# Altium PCB Kasli-DIOT.PCBDOC (part 13 of 21)
Units mm, origin at the board's own origin, x right, y up, seen from the top; angles counter-clockwise.
Board outline 222.34 x 100 mm, 10 copper layers (TopLayer, Layer 2, Layer 3, Layer 4, Layer 5, Layer 6, Layer 7, layer 8, Layer 9, BottomLayer), stack 1.564 mm thick; 974 components, 908 nets, 4662 pads, 2649 vias.
Unrouted connection lines stored in the file: 17.
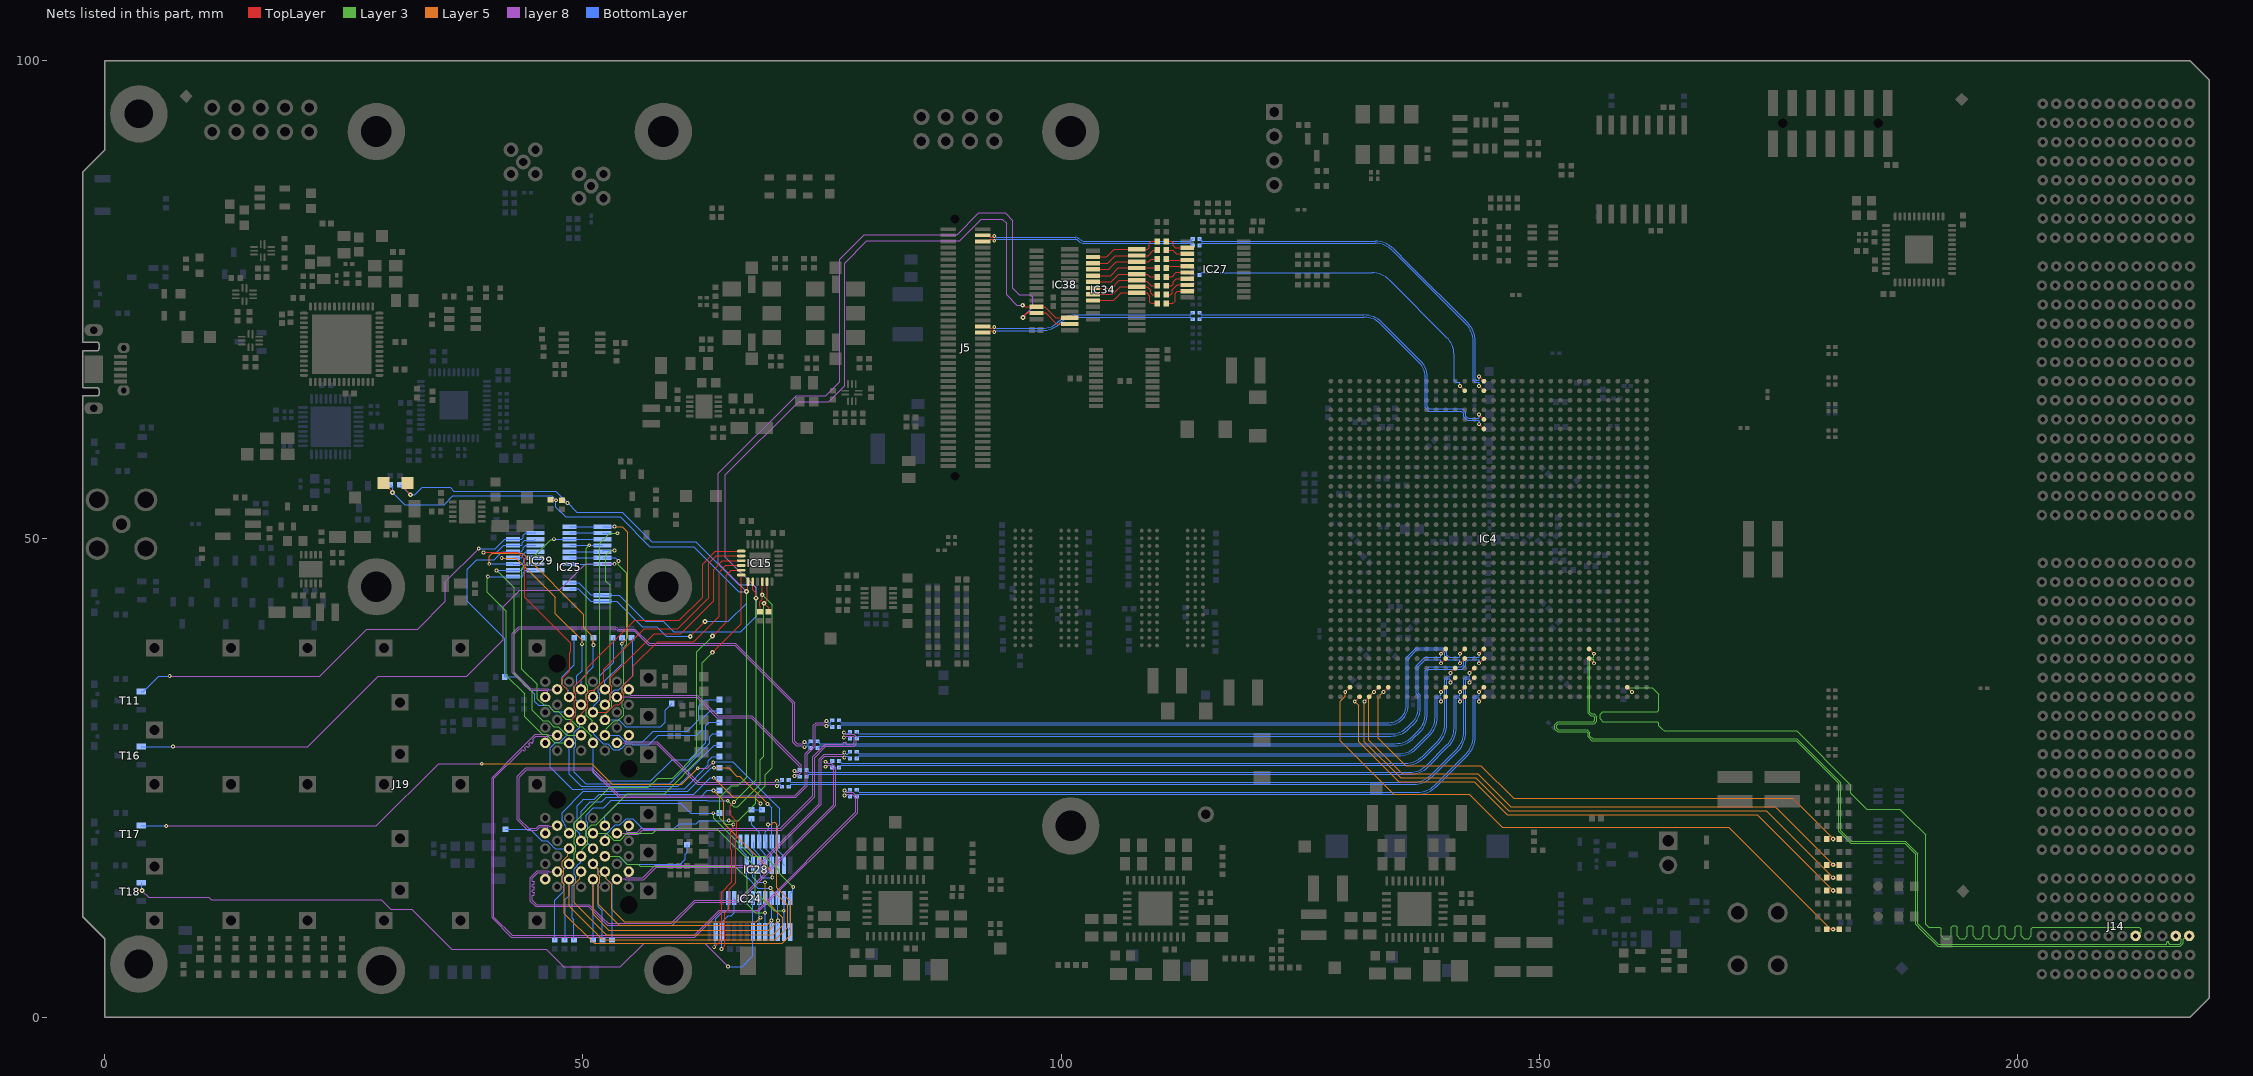
[diagram p21: the nets of this part, all layers, seen from the top]

## Via types
v1: diameter 0.4, hole 0.2, TopLayer to BottomLayer, tented both sides, 1661 vias
v2: diameter 0.5, hole 0.2, TopLayer to BottomLayer, tented both sides, 516 vias
v3: diameter 0.6, hole 0.3, TopLayer to BottomLayer, tented both sides, 175 vias
v4: diameter 0.6, hole 0.3, TopLayer to BottomLayer, 113 vias
v5: diameter 0.5, hole 0.2, TopLayer to BottomLayer, 110 vias
v6: diameter 0.4, hole 0.2, TopLayer to BottomLayer, 67 vias
v7: diameter 0.8, hole 0.5, TopLayer to BottomLayer, tented both sides, 7 vias

## Nets (pads, with @x,y where several pads share a name; then routed paths per layer and width w, separated by ;. In a path a pad name is that pad's centre, name@x,y a point inside that pad or via, vN(x,y) a via of type N, cw(c..) or ccw(c..) an arc to the next point about the centre after c; other vN are vias at no path point) (continued)
S2C_TX_P: C405.1 IC4.B15 | length 35.1
  TopLayer w0.095: v1(141.7,66) IC4.B15@142.2,65.5
  BottomLayer w0.095: C405.1@114.459,77.605 ccw(c114.459,77.665) 114.502,77.623 114.625,77.746 ccw(c114.596,77.774) 114.636,77.774 114.664,77.802 cw(c114.731,77.735) 114.731,77.83 132.504,77.83 cw(c132.504,75.29) 134.3,77.086 140.334,71.052 cw(c138.538,69.256) 141.078,69.256 141.078,66.608 141.297,66.389 141.644,66.389 141.7,66.333 v1(141.7,66)
S3_RX_N: C417.1 J5.33 | length 22.6
  TopLayer w0.095: J5.33@91.8,72.222 92.4,72.222 92.607,72.016 92.792,72.016 92.931,72.155 v6(93,72.155)
  BottomLayer w0.095: v6(93,72.155) 93.069,72.155 93.208,72.016 97.975,72.016 ccw(c97.975,74.556) 99.771,72.76 99.773,72.762 cw(c101.363,71.171) 99.774,72.763 cw(c101.363,71.171) 101.363,73.42 113.464,73.42 ccw(c113.464,73.57) 113.57,73.464 ccw(c113.541,73.493) 113.581,73.493 113.716,73.628 cw(c113.759,73.585) C417.1@113.759,73.645
S3_RX_P: C415.1 J5.35 | length 22.6
  TopLayer w0.095: J5.35@91.8,71.587 92.4,71.587 92.607,71.794 92.792,71.794 92.931,71.655 v6(93,71.655)
  BottomLayer w0.095: v6(93,71.655) 93.069,71.655 93.208,71.794 97.976,71.794 ccw(c97.976,74.553) 99.927,72.602 cw(c101.366,71.163) 99.928,72.603 cw(c101.366,71.163) 101.366,73.198 113.464,73.198 cw(c113.464,73.049) 113.57,73.155 cw(c113.541,73.126) 113.581,73.126 113.716,72.991 ccw(c113.759,73.034) C415.1@113.759,72.973
S3_TX_N: C418.2 J5.3 | length 22.4
  TopLayer w0.095: J5.3@91.8,81.747 92.4,81.747 92.607,81.541 92.792,81.541 92.931,81.68 v6(93,81.68)
  BottomLayer w0.095: v6(93,81.68) 93.069,81.68 93.208,81.541 101.454,81.541 cw(c101.454,80.85) 101.942,81.339 101.944,81.337 ccw(c102.42,81.813) 102.42,81.14 113.486,81.14 ccw(c113.486,81.235) 113.554,81.168 113.581,81.195 cw(c113.622,81.195) 113.593,81.224 113.716,81.347 cw(c113.759,81.304) C418.2@113.759,81.365
S3_TX_P: C416.2 J5.5 | length 22.4
  TopLayer w0.095: J5.5@91.8,81.112 92.4,81.112 92.607,81.319 92.792,81.319 92.931,81.18 v6(93,81.18)
  BottomLayer w0.095: v6(93,81.18) 93.069,81.18 93.208,81.319 101.452,81.319 cw(c101.452,80.844) 101.787,81.18 101.788,81.179 ccw(c102.419,81.809) 102.419,80.918 113.486,80.918 cw(c113.486,80.823) 113.554,80.89 113.581,80.862 ccw(c113.622,80.862) C416.2@113.593,80.833 ; C416.2@113.593,80.833 113.716,80.71 ccw(c113.759,80.753) C416.2@113.759,80.693
S3C_RX_N: C417.2 IC4.E17 | length 37.3
  TopLayer w0.095: v1(143.7,63) IC4.E17@144.2,62.5
  BottomLayer w0.095: C417.2@114.459,73.645 cw(c114.459,73.585) 114.502,73.628 114.625,73.505 cw(c114.596,73.476) 114.636,73.476 114.664,73.448 ccw(c114.731,73.515) 114.731,73.42 131.638,73.42 cw(c131.638,70.664) 133.587,72.613 137.658,68.542 cw(c136.108,66.992) 138.3,66.992 138.3,63.8 138.5,63.6 141.944,63.6 142.323,63.221 142.323,62.848 142.559,62.611 143.039,62.611 143.644,62.611 143.7,62.667 v1(143.7,63)
S3C_RX_P: C415.2 IC4.F17 | length 37.3
  TopLayer w0.095: v1(143.7,62) IC4.F17@144.2,61.5
  BottomLayer w0.095: C415.2@114.459,72.973 ccw(c114.459,73.034) 114.502,72.991 114.625,73.114 ccw(c114.596,73.143) 114.636,73.143 114.664,73.17 cw(c114.731,73.103) 114.731,73.198 131.636,73.198 cw(c131.636,70.658) 133.432,72.454 137.436,68.45 ; 137.437,68.449 cw(c135.886,66.9) 138.078,66.9 138.078,63.708 138.408,63.378 141.852,63.378 142.101,63.129 142.101,62.756 142.467,62.389 143.131,62.389 143.644,62.389 143.7,62.333 v1(143.7,62)
S3C_TX_N: C418.1 IC4.A17 | length 39.2
  TopLayer w0.095: v1(143.7,67) IC4.A17@144.2,66.5
  BottomLayer w0.095: C418.1@114.459,81.365 cw(c114.459,81.304) 114.502,81.347 114.625,81.224 cw(c114.596,81.195) 114.636,81.195 114.664,81.168 ccw(c114.731,81.235) 114.731,81.14 132.819,81.14 cw(c132.819,78.384) 134.767,80.333 136.262,78.838 142.515,72.585 cw(c140.627,70.698) 143.297,70.698 143.297,66.703 143.389,66.611 143.644,66.611 143.7,66.667 v1(143.7,67)
S3C_TX_P: C416.1 IC4.B17 | length 39.2
  TopLayer w0.095: v1(143.7,66) IC4.B17@144.2,65.5
  BottomLayer w0.095: C416.1@114.459,80.693 ccw(c114.459,80.753) 114.502,80.71 114.625,80.833 ccw(c114.596,80.862) 114.636,80.862 114.664,80.89 cw(c114.731,80.823) 114.731,80.918 132.816,80.918 cw(c132.816,78.378) 134.612,80.174 142.331,72.455 cw(c140.534,70.659) 142.332,72.454 cw(c140.534,70.659) 143.074,70.659 143.074,69.5 143.075,66.612 143.297,66.389 143.644,66.389 143.7,66.333 v1(143.7,66)
SERV1: IC27.9 R235.2 | length 3.2
  TopLayer w0.127: R235.2@110.992,74.621 111.671,74.621 111.923,74.873 111.923,75.698 112.136,75.911 IC27.9@113.186,75.911
SERV2: IC27.7 R233.2 | length 2.7
  TopLayer w0.127: R233.2@110.992,76.478 111.562,76.478 111.7,76.616 111.7,76.886 112.025,77.211 IC27.7@113.186,77.211
SERV3: IC27.6 R232.2 | length 2.4
  TopLayer w0.127: R232.2@110.992,77.407 111.598,77.407 112.052,77.861 IC27.6@113.186,77.861
SERV4: IC27.8 R234.2 | length 2.8
  TopLayer w0.127: R234.2@110.992,75.55 111.465,75.55 111.613,75.698 111.613,76.055 112.119,76.561 IC27.8@113.186,76.561
SERV5: IC27.5 R229.2 | length 2.3
  TopLayer w0.127: R229.2@110.992,78.336 111.147,78.491 113.167,78.491 IC27.5@113.186,78.511
SERV6: IC27.2 R221.2 | length 2.6
  TopLayer w0.127: R221.2@110.992,81.121 111.562,81.121 111.7,80.983 111.7,80.683 111.923,80.461 IC27.2@113.186,80.461
SERV7: IC27.3 R224.2 | length 2.4
  TopLayer w0.127: R224.2@110.992,80.193 111.671,80.193 112.053,79.811 IC27.3@113.186,79.811
SERV8: IC27.4 R228.2 | length 2.3
  TopLayer w0.127: R228.2@110.992,79.264 111.137,79.119 113.145,79.119 IC27.4@113.186,79.161
SERV_1: IC34.21 IC38.4 R235.1 | length 7.9
  TopLayer w0.127: IC38.4@103.336,74.936 105.481,74.936 106.281,75.736 IC34.21@107.886,75.736 108.938,75.736 109.275,75.399 109.275,74.751 109.405,74.621 R235.1@110.052,74.621
SERV_2: IC34.23 IC38.6 R233.1 | length 7.3
  TopLayer w0.127: IC38.6@103.336,76.236 105.295,76.236 106.095,77.036 IC34.23@107.886,77.036 107.96,76.962 108.938,76.962 109.225,76.675 109.422,76.478 R233.1@110.052,76.478
SERV_3: IC34.24 IC38.7 R232.1 | length 7.2
  TopLayer w0.127: IC38.7@103.336,76.886 105.242,76.886 106.042,77.686 IC34.24@107.886,77.686 108.988,77.686 109.267,77.407 R232.1@110.052,77.407
SERV_4: IC34.22 IC38.5 R234.1 | length 7.5
  TopLayer w0.127: IC38.5@103.336,75.586 105.392,75.586 106.192,76.386 IC34.22@107.886,76.386 107.924,76.348 108.979,76.348 109.345,75.982 109.345,75.753 109.548,75.55 R234.1@110.052,75.55
SERV_5: IC34.25 IC38.8 R229.1 | length 7
  TopLayer w0.127: IC38.8@103.336,77.536 105.19,77.536 105.99,78.336 IC34.25@107.886,78.336 R229.1@110.052,78.336
SERV_6: IC34.28 IC38.11 R221.1 | length 7.7
  TopLayer w0.127: IC38.11@103.336,79.486 104.767,79.486 105.567,80.286 IC34.28@107.886,80.286 109.05,80.286 109.225,80.461 109.225,80.941 109.405,81.121 R221.1@110.052,81.121
SERV_7: IC34.27 IC38.10 R224.1 | length 7.3
  TopLayer w0.127: IC38.10@103.336,78.836 104.874,78.836 105.674,79.635 107.886,79.635 109.086,79.636 109.643,80.193 R224.1@110.052,80.193
SERV_8: IC34.26 IC38.9 R228.1 | length 7.2
  TopLayer w0.127: IC38.9@103.336,78.186 104.981,78.186 105.781,78.986 IC34.26@107.886,78.986 109.138,78.986 109.417,79.264 R228.1@110.052,79.264
SFP0_RD_N: C247.1 J19.LB12 | length 48.2
  layer 8 w0.075: J19.LB12@47.3,34.275 47.282,34.257 46.435,34.257 46.332,34.36 44.525,34.36 42.8,36.086 42.8,40.075 43.355,40.63 53.37,40.63 53.618,40.382 55.357,40.382 56.866,38.873 65.85,38.873 71.925,32.798 71.925,28.764 72.157,28.532 72.297,28.392 72.969,28.392 73.131,28.23 v1(73.175,28.23)
  BottomLayer w0.095: v1(73.175,28.23) 73.231,28.23 73.383,28.382 73.582,28.382 73.637,28.327 73.637,28.296 73.79,28.143 C247.1@73.815,28.143
SFP0_RD_P: C246.1 J19.LB13 | length 48.5
  layer 8 w0.075: J19.LB13@46.05,33.475 46.05,33.752 46.293,33.995 46.293,34.115 46.249,34.158 44.442,34.158 43.775,34.825 43.632,34.968 42.598,36.002 42.598,40.159 43.272,40.832 53.453,40.832 53.518,40.768 53.702,40.584 55.441,40.584 56.95,39.075 65.934,39.075 72.127,32.882 72.127,28.848 72.381,28.594 72.969,28.594 73.131,28.757 v1(73.175,28.757)
  BottomLayer w0.095: v1(73.175,28.757) 73.231,28.757 73.383,28.604 73.582,28.604 73.637,28.66 73.637,28.691 73.79,28.843 C246.1@73.815,28.843
SFP0_TD_N: C249.1 J19.LB19 | length 71.3
  layer 8 w0.075: J19.LB19@46.05,28.675 46.05,28.952 46.293,29.195 46.293,29.315 46.249,29.358 45.083,29.358 44.875,29.15 44.725,29 44.725,28.938 44.822,28.842 44.822,28.781 44.682,28.641 44.622,28.641 44.524,28.739 44.464,28.739 44.324,28.599 44.324,28.539 44.422,28.441 44.422,28.381 44.282,28.241 44.222,28.241 44.124,28.339 44.064,28.339 43.924,28.199 43.924,28.139 44.022,28.041 44.022,27.981 43.882,27.841 43.822,27.841 43.725,27.938 43.663,27.938 43.436,27.711 40.694,24.969 40.694,10.456 42.582,8.568 61.618,8.568 64.25,11.2 68.25,11.2 78.525,21.475 78.525,22.914 78.11,23.33 77.556,23.33 77.394,23.167 v1(77.35,23.167)
  BottomLayer w0.095: v1(77.35,23.167) 77.406,23.167 77.558,23.32 77.692,23.32 77.748,23.264 77.748,23.227 77.9,23.074 C249.1@77.925,23.074
SFP0_TD_P: C248.1 J19.LB18 | length 71.9
  layer 8 w0.075: J19.LB18@47.3,29.475 47.282,29.457 46.435,29.457 46.332,29.56 45,29.56 43.293,27.854 40.492,25.053 40.492,10.372 42.498,8.366 61.702,8.366 64.334,10.998 68.334,10.998 78.727,21.391 78.727,22.998 78.193,23.532 77.556,23.532 77.394,23.694 v1(77.35,23.694)
  BottomLayer w0.095: v1(77.35,23.694) 77.406,23.694 77.558,23.542 77.692,23.542 77.748,23.597 77.748,23.635 77.9,23.787 C248.1@77.925,23.787
SFP1_RD_N: C251.1 J19.LT12 | length 19.4
  layer 8 w0.075: J19.LT12@53.55,28.675 53.589,28.714 54.394,28.714 54.497,28.61 57.69,28.61 61.951,24.349 70.069,24.349 70.231,24.187 v1(70.275,24.187)
  BottomLayer w0.095: v1(70.275,24.187) 70.295,24.187 70.447,24.339 70.607,24.339 70.637,24.309 70.637,24.253 70.79,24.1 C251.1@70.815,24.1
SFP1_RD_P: C250.1 J19.LT13 | length 19.1
  layer 8 w0.075: J19.LT13@54.8,29.475 54.8,29.198 54.536,28.934 54.536,28.856 54.58,28.812 57.773,28.812 62.035,24.551 70.069,24.551 70.231,24.714 v1(70.275,24.714)
  BottomLayer w0.095: v1(70.275,24.714) 70.295,24.714 70.447,24.561 70.607,24.561 70.637,24.591 70.637,24.648 70.79,24.8 C250.1@70.815,24.8
SFP1_TD_N: C253.1 J19.LT19 | length 23.9
  layer 8 w0.075: J19.LT19@54.8,34.275 54.991,34.084 54.991,33.679 55.035,33.635 61.965,33.635 64.097,31.503 67.655,31.503 72.83,26.329 72.83,25.594 72.621,25.385 72.331,25.385 72.169,25.223 v1(72.125,25.223)
  BottomLayer w0.095: v1(72.125,25.223) 72.155,25.223 72.308,25.375 72.442,25.375 72.498,25.32 72.498,25.289 72.65,25.136 C253.1@72.675,25.136
SFP1_TD_P: C252.1 J19.LT18 | length 24
  layer 8 w0.075: J19.LT18@53.55,33.475 53.568,33.493 54.892,33.493 54.952,33.433 61.881,33.433 64.013,31.301 67.572,31.301 72.628,26.245 72.628,25.694 72.521,25.587 72.331,25.587 72.169,25.75 v1(72.125,25.75)
  BottomLayer w0.095: v1(72.125,25.75) 72.155,25.75 72.308,25.597 72.442,25.597 72.498,25.653 72.498,25.684 72.65,25.836 C252.1@72.675,25.836
SFP2_RD_N: C255.1 J19.RB12 | length 49.7
  layer 8 w0.075: J19.RB12@47.3,20.025 47.261,19.986 46.456,19.986 46.353,20.09 45.443,20.09 45.096,19.743 44.318,19.743 43.35,20.711 43.35,25.1 44.125,25.875 50.85,25.875 53.752,22.973 72.234,22.973 73.448,24.187 73.448,27.465 74.3,28.317 74.3,30.425 74.468,30.593 75.244,30.593 75.406,30.43 v1(75.45,30.43)
  BottomLayer w0.095: v1(75.45,30.43) 75.506,30.43 75.658,30.583 75.832,30.583 75.887,30.527 75.887,30.496 76.04,30.343 C255.1@76.065,30.343
SFP2_RD_P: C254.1 J19.RB13 | length 50.1
  layer 8 w0.075: J19.RB13@46.05,19.225 46.05,19.502 46.314,19.766 46.314,19.844 46.27,19.888 45.526,19.888 45.18,19.541 44.234,19.541 43.148,20.627 43.148,25.184 44.041,26.077 50.934,26.077 53.836,23.175 72.15,23.175 73.246,24.271 73.246,27.548 74.098,28.401 74.098,30.509 74.384,30.795 75.244,30.795 75.406,30.957 v1(75.45,30.957)
  BottomLayer w0.095: v1(75.45,30.957) 75.506,30.957 75.658,30.805 75.832,30.805 75.887,30.86 75.887,30.891 76.04,31.044 C254.1@76.065,31.044
SFP2_TD_N: C257.1 J19.RB19 | length 49.3
  layer 8 w0.075: J19.RB19@46.05,14.425 46.05,14.702 46.293,14.945 46.293,15.065 46.249,15.109 45.296,15.109 44.702,14.514 44.702,14.275 44.702,14.229 44.746,14.186 44.883,14.186 44.925,14.143 44.925,13.945 44.883,13.903 44.744,13.903 44.702,13.86 44.702,13.662 44.744,13.62 44.883,13.62 44.925,13.577 44.925,13.379 44.883,13.337 44.744,13.337 44.702,13.294 44.702,13.096 44.744,13.054 44.883,13.054 44.925,13.011 44.925,12.813 44.883,12.771 44.746,12.771 44.702,12.727 44.702,12.406 44.702,12.223 44.975,11.95 45.15,11.775 50.661,11.775 52.018,10.418 52.634,9.802 59.252,9.802 61.675,12.225 66.214,12.225 76.225,22.236 76.225,26 75.88,26.345 75.581,26.345 75.419,26.182 v1(75.375,26.182)
  BottomLayer w0.095: v1(75.375,26.182) 75.423,26.182 75.575,26.335 75.832,26.335 75.887,26.279 75.887,26.248 76.04,26.096 C257.1@76.065,26.096
SFP2_TD_P: C256.1 J19.RB18 | length 49.9
  layer 8 w0.075: J19.RB18@47.3,15.225 47.282,15.207 46.435,15.207 46.332,15.311 45.213,15.311 44.5,14.598 44.5,13.45 44.5,12.406 44.5,12.139 44.948,11.691 45.066,11.573 50.577,11.573 51.946,10.204 52.55,9.6 59.336,9.6 61.759,12.023 66.298,12.023 76.427,22.152 76.427,26.084 76.368,26.143 76.318,26.193 75.964,26.547 75.581,26.547 75.419,26.709 v1(75.375,26.709)
  BottomLayer w0.095: v1(75.375,26.709) 75.423,26.709 75.575,26.557 75.832,26.557 75.887,26.612 75.887,26.643 76.04,26.796 C256.1@76.065,26.796
SFP3_RD_N: C283.1 J19.RT12 | length 32.8
  layer 8 w0.075: J19.RT12@53.55,14.425 53.589,14.464 54.394,14.464 54.497,14.36 56.332,14.36 57.647,15.675 68.336,15.675 74.902,22.241 74.902,26.9 75.301,27.299 77.119,27.299 77.281,27.136 v1(77.325,27.136)
  BottomLayer w0.095: v1(77.325,27.136) 77.381,27.136 77.533,27.289 77.692,27.289 77.748,27.233 77.748,27.202 77.9,27.05 C283.1@77.925,27.05
SFP3_RD_P: C282.1 J19.RT13 | length 32.5
  layer 8 w0.075: J19.RT13@54.8,15.225 54.8,14.948 54.536,14.684 54.536,14.606 54.58,14.562 56.249,14.562 57.563,15.877 68.252,15.877 74.7,22.325 74.7,26.984 75.217,27.501 77.119,27.501 77.281,27.663 v1(77.325,27.663)
  BottomLayer w0.095: v1(77.325,27.663) 77.381,27.663 77.533,27.511 77.692,27.511 77.748,27.567 77.748,27.597 77.9,27.75 C282.1@77.925,27.75
SFP3_TD_N: C285.1 J19.RT19 | length 33.9
  layer 8 w0.075: J19.RT19@54.8,20.025 54.8,19.748 54.557,19.505 54.557,19.385 54.601,19.342 55.683,19.342 56.101,19.759 70.634,19.759 74.023,23.148 74.023,27.232 75.316,28.525 76.662,28.525 77.184,28.525 77.228,28.569 77.228,28.706 77.27,28.748 77.468,28.748 77.511,28.706 77.511,28.569 77.554,28.525 77.875,28.525 78.216,28.525 78.35,28.659 78.35,29.25 78.204,29.396 77.481,29.396 77.319,29.234 v1(77.275,29.234)
  BottomLayer w0.095: v1(77.275,29.234) 77.323,29.234 77.475,29.386 77.692,29.386 77.748,29.33 77.748,29.3 77.9,29.147 C285.1@77.925,29.147 C285.1@77.839,29.234
SFP3_TD_P: C284.1 J19.RT18 | length 34.5
  layer 8 w0.075: J19.RT18@53.55,19.225 53.568,19.243 54.415,19.243 54.518,19.14 55.767,19.14 56.185,19.557 70.718,19.557 74.225,23.064 74.225,27.148 75.4,28.323 78.3,28.323 78.552,28.575 78.552,29.334 78.288,29.598 77.481,29.598 77.319,29.761 v1(77.275,29.761)
  BottomLayer w0.095: v1(77.275,29.761) 77.323,29.761 77.475,29.608 77.692,29.608 77.748,29.664 77.748,29.695 77.9,29.847 C284.1@77.925,29.847 C284.1@77.839,29.761
SFP.RX0_N: C247.2 IC4.AK17 | length 77.4
  TopLayer w0.095: v1(143.7,37) IC4.AK17@144.2,37.5
  BottomLayer w0.095: C247.2@74.515,28.143 74.54,28.143 74.692,28.296 74.692,28.327 74.748,28.382 134.939,28.382 ccw(c134.939,31.142) 136.89,29.19 137.492,29.792 ccw(c135.541,31.743) 137.494,29.794 ccw(c135.541,31.743) 138.3,31.743 138.3,36.2 138.5,36.4 141.944,36.4 142.323,36.779 142.323,37.152 142.559,37.389 143.039,37.389 143.644,37.389 143.7,37.333 v1(143.7,37)
SFP.RX0_P: C246.2 IC4.AJ17 | length 77.9
  TopLayer w0.095: v1(143.7,38) IC4.AJ17@144.2,38.5
  BottomLayer w0.095: C246.2@74.515,28.843 74.54,28.843 74.692,28.691 74.692,28.66 74.748,28.604 77.525,28.604 ; 76.998,28.604 134.938,28.604 ccw(c134.938,31.144) 136.734,29.348 137.334,29.948 ccw(c135.538,31.744) 138.078,31.744 138.078,36.292 138.408,36.622 141.852,36.622 142.101,36.871 142.101,37.244 142.467,37.611 143.131,37.611 143.644,37.611 143.7,37.667 v1(143.7,38)
SFP.RX1_N: C251.2 IC4.AM16 | length 80.6
  TopLayer w0.095: v1(142.7,35) IC4.AM16@143.2,35.5
  BottomLayer w0.095: C251.2@71.515,24.1 71.54,24.1 71.692,24.253 71.692,24.283 71.748,24.339 79.299,24.339 79.3,24.34 136.367,24.34 136.84,24.34 ccw(c136.84,27.093) 138.785,25.145 ccw(c136.84,27.093) 138.787,25.146 141.518,27.878 ccw(c139.57,29.826) 141.519,27.879 ccw(c139.57,29.826) 142.325,29.826 142.325,35.292 142.422,35.389 142.644,35.389 142.7,35.333 v1(142.7,35)
SFP.RX1_P: C250.2 IC4.AL16 | length 80.6
  TopLayer w0.095: v1(142.7,36) IC4.AL16@143.2,36.5
  BottomLayer w0.095: C250.2@71.515,24.8 71.54,24.8 71.692,24.648 71.692,24.617 71.748,24.561 79.207,24.561 79.208,24.562 79.3,24.562 136.275,24.562 136.836,24.562 ccw(c136.836,27.102) 138.631,25.304 ccw(c136.836,27.102) 138.632,25.306 141.36,28.033 ccw(c139.563,29.829) 142.103,29.829 142.103,35.384 142.33,35.611 142.644,35.611 142.7,35.667 v1(142.7,36)
SFP.RX2_N: C255.2 IC4.AK15 | length 73.1
  TopLayer w0.095: v1(141.7,37) IC4.AK15@142.2,37.5
  BottomLayer w0.095: C255.2@76.79,30.343 76.942,30.496 76.957,30.496 77.047,30.586 129.408,30.586 134.273,30.586 ccw(c134.273,32.609) 135.703,31.179 135.708,31.183 ccw(c134.277,32.613) 136.3,32.613 136.3,37.5 137.2,38.4 139.83,38.4 140.065,38.165 140.103,38.126 140.103,37.753 140.467,37.389 141.139,37.389 141.644,37.389 141.7,37.333 v1(141.7,37)
SFP.RX2_P: C254.2 IC4.AJ15 | length 73.1
  TopLayer w0.095: v1(141.7,38) IC4.AJ15@142.2,38.5
  BottomLayer w0.095: C254.2@76.815,31.019 76.942,30.891 76.942,30.866 77,30.808 129.5,30.808 134.27,30.808 ccw(c134.27,32.616) 135.548,31.337 ccw(c134.27,32.616) 136.078,32.616 136.078,37.592 137.108,38.622 139.922,38.622 140.325,38.218 140.325,37.845 140.559,37.611 141.231,37.611 141.644,37.611 141.7,37.667 v1(141.7,38)
SFP.RX3_N: C285.2 IC4.AK13 | length 68.8
  TopLayer w0.095: v1(139.7,37) IC4.AK13@140.2,37.5
  BottomLayer w0.095: C285.2@78.625,29.147 78.65,29.147 78.803,29.3 78.803,29.33 78.858,29.386 78.993,29.386 79.3,29.386 134.317,29.386 134.443,29.386 ccw(c134.443,32.145) 136.394,30.194 136.951,30.751 ccw(c135.469,32.233) 137.565,32.233 137.565,33.644 137.326,33.883 137.326,36.626 138.089,37.389 139.644,37.389 139.7,37.333 v1(139.7,37)
SFP.RX3_P: C284.2 IC4.AJ13 | length 68.8
  TopLayer w0.095: v1(139.7,38) IC4.AJ13@140.2,38.5
  BottomLayer w0.095: C284.2@78.625,29.847 78.65,29.847 78.803,29.695 78.803,29.664 78.858,29.608 79.084,29.608 79.3,29.608 134.225,29.608 134.442,29.608 ccw(c134.442,32.148) 136.238,30.352 136.729,30.843 ccw(c135.247,32.325) 137.343,32.325 137.343,33.552 137.104,33.791 137.104,36.717 137.997,37.611 139.644,37.611 139.7,37.667 v1(139.7,38)
SFP.TX0_N: C249.2 IC4.AP17 | length 73.2
  TopLayer w0.095: v1(143.7,33) IC4.AP17@144.2,33.5
  BottomLayer w0.095: C249.2@78.625,23.074 78.65,23.074 78.884,23.308 79.3,23.308 137.017,23.308 137.265,23.308 ccw(c137.265,26.068) 139.216,24.116 142.488,27.388 ccw(c140.536,29.34) 143.297,29.34 143.297,33.297 143.389,33.389 143.644,33.389 143.7,33.333 v1(143.7,33)
SFP.TX0_P: C248.2 IC4.AN17 | length 73.2
  TopLayer w0.095: v1(143.7,34) IC4.AN17@144.2,34.5
  BottomLayer w0.095: C248.2@78.625,23.787 78.65,23.787 78.907,23.53 79.3,23.53 136.925,23.53 137.264,23.53 ccw(c137.264,26.07) 139.058,24.272 ccw(c137.264,26.07) 139.06,24.274 142.331,27.545 ccw(c140.534,29.341) 142.332,27.546 ccw(c140.534,29.341) 143.074,29.341 143.074,30.5 143.075,33.388 143.297,33.611 143.644,33.611 143.7,33.667 v1(143.7,34)
SFP.TX1_N: C253.2 IC4.AP15 | length 75
  TopLayer w0.095: v1(141.7,33) IC4.AP15@142.2,33.5
  BottomLayer w0.095: C253.2@73.375,25.136 ccw(c73.375,25.197) 73.418,25.154 73.542,25.278 ccw(c73.515,25.304) 73.553,25.304 cw(c73.59,25.304) 73.563,25.33 cw(c73.671,25.222) 73.671,25.375 136.438,25.375 ccw(c136.438,28.096) 138.362,26.172 140.491,28.301 ccw(c138.54,30.253) 140.493,28.303 ccw(c138.54,30.253) 141.3,30.253 141.3,33.3 141.389,33.389 141.644,33.389 141.7,33.333 v1(141.7,33)
SFP.TX1_P: C252.2 IC4.AN15 | length 75.1
  TopLayer w0.095: v1(141.7,34) IC4.AN15@142.2,34.5
  BottomLayer w0.095: C252.2@73.375,25.836 cw(c73.375,25.776) 73.418,25.819 73.542,25.695 cw(c73.515,25.668) 73.553,25.668 ccw(c73.59,25.668) 73.563,25.642 ccw(c73.671,25.75) 73.671,25.597 136.437,25.597 ccw(c136.437,28.098) 138.206,26.33 ccw(c136.412,28.127) 138.208,26.331 140.334,28.458 ccw(c138.538,30.254) 140.336,28.459 ccw(c138.538,30.254) 141.078,30.254 141.078,33.392 141.297,33.611 141.644,33.611 141.7,33.667 v1(141.7,34)
SFP.TX2_N: C257.2 IC4.AM14 | length 72